# Altium PCB PROC114E3_BRD.PcbDoc (part 3 of 18)
Units mm, origin at the board's own origin, x right, y up, seen from the top; angles counter-clockwise.
Board outline 85 x 155.18 mm, 10 copper layers (TOP, L02_GND1, L03_SIG1, L04_GND2, L05_PWR1, L06_PWR2, L07_GND3, L08_SIG2, L09_GND4, BOTTOM), stack 1.134 mm thick; 1389 components, 1010 nets, 5137 pads, 3263 vias.
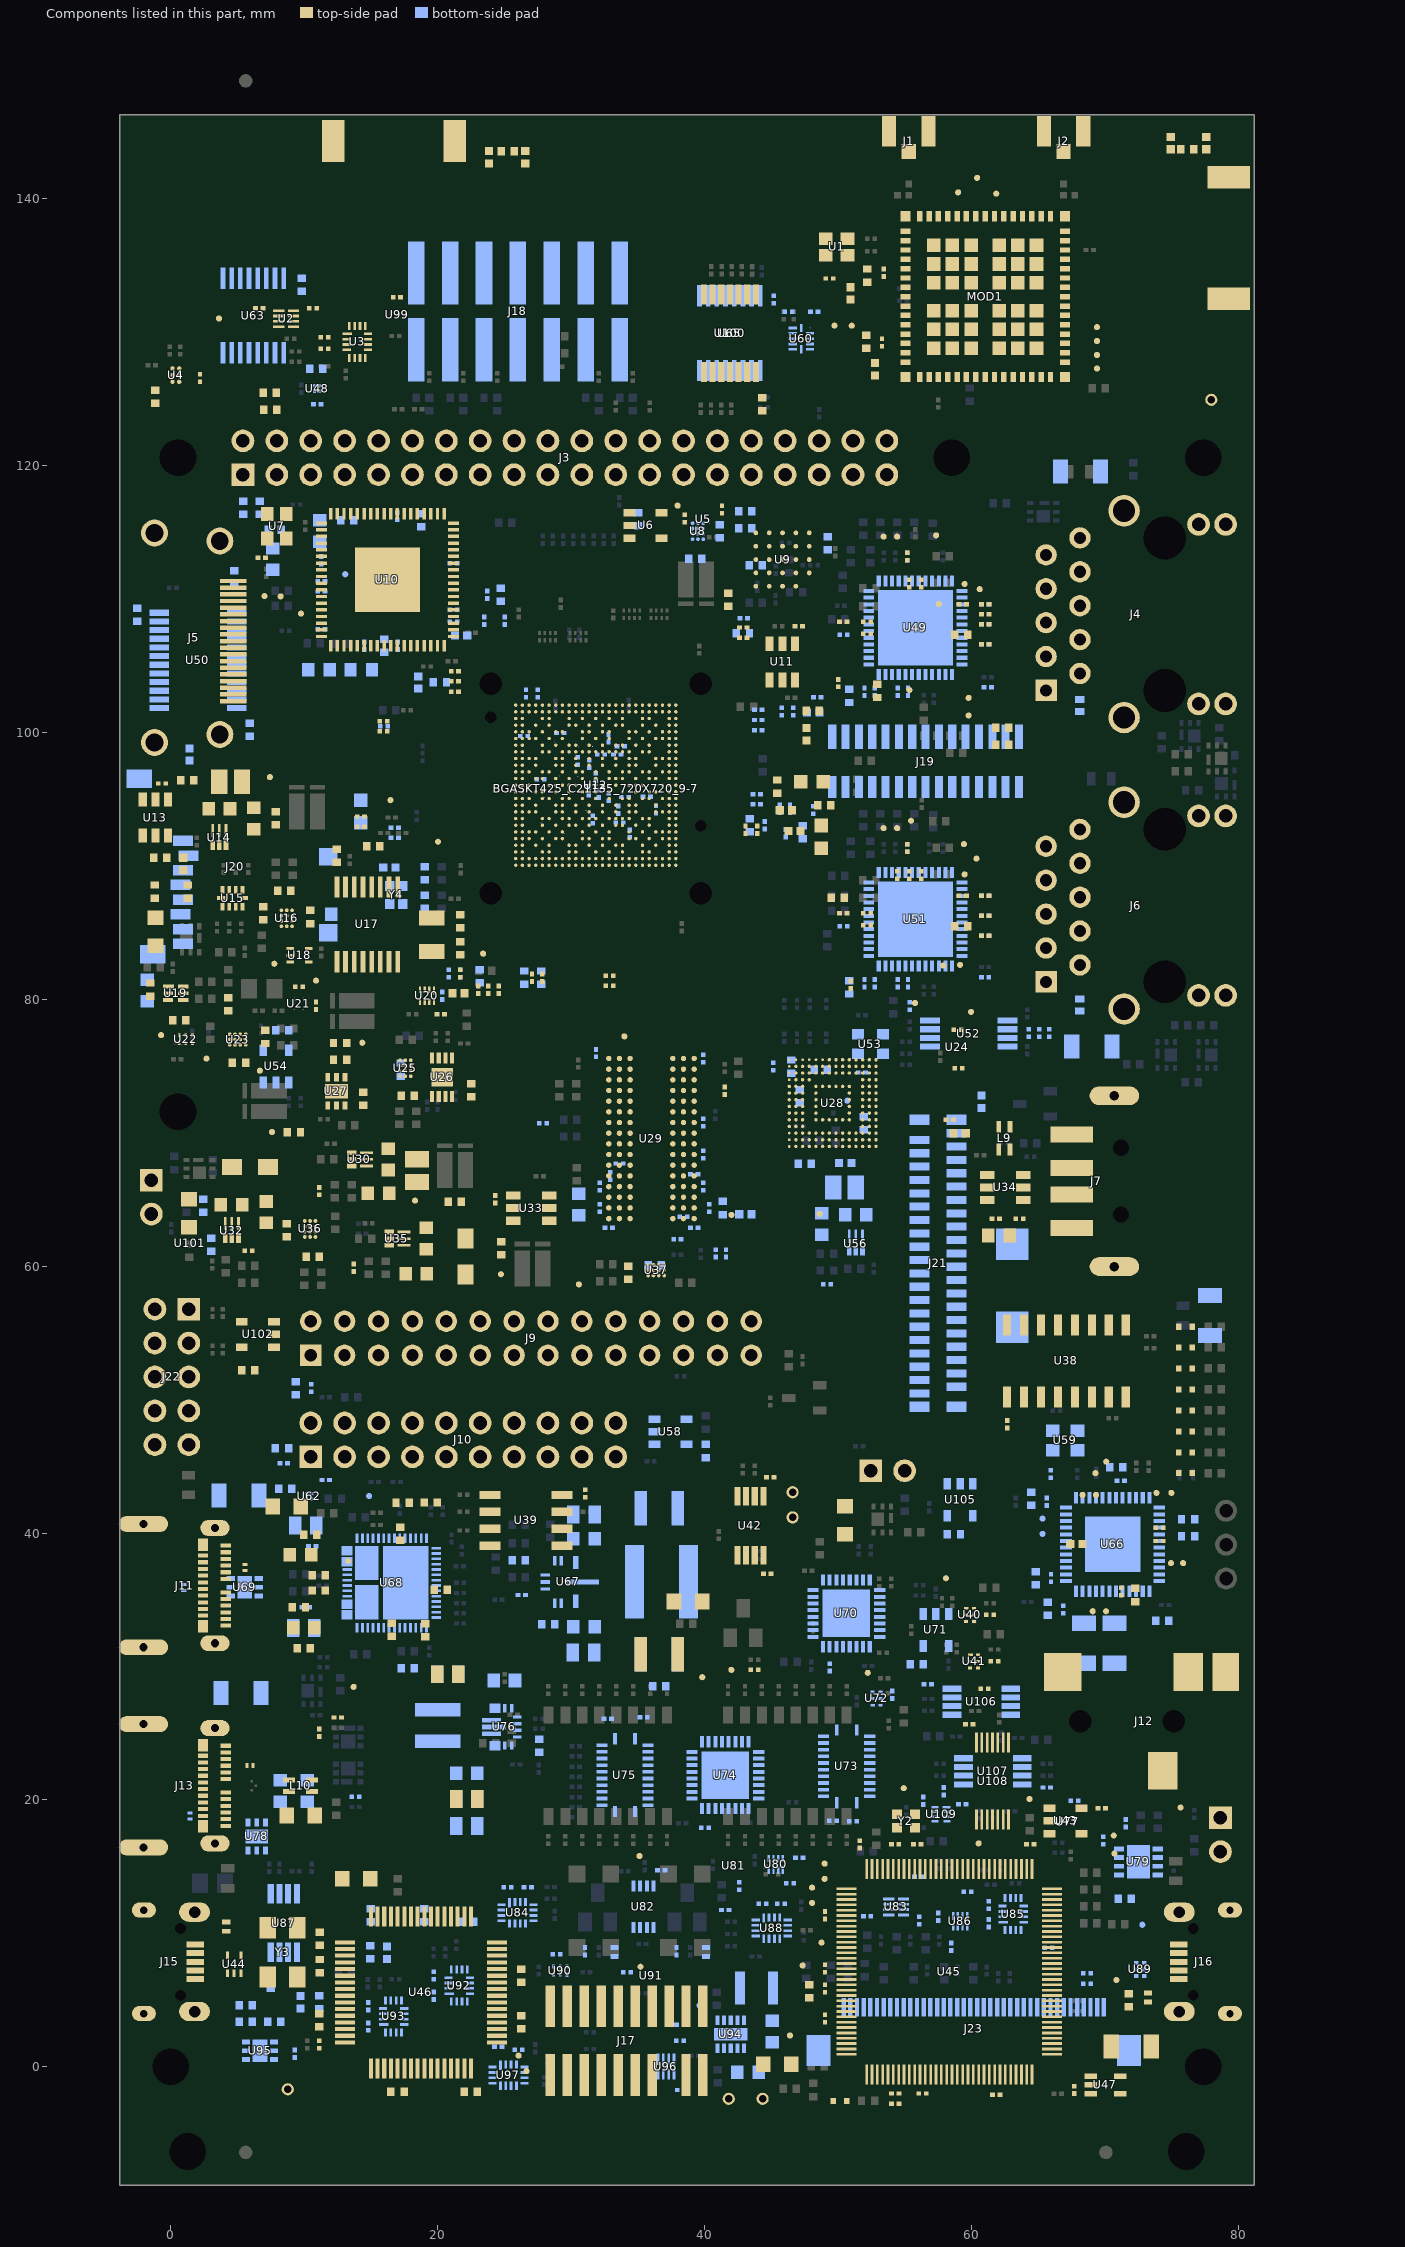
[diagram p11: the components of this part, seen from the top]

## Components (designator, comment, footprint, x,y, rotation, side; value= is the part's Value field where it differs from the comment) (continued)
TP73 "TESTPOINT_TP20_SMD_TP20_SMD" TP20_SMD 75.692,19.431 r90 top
TP74 "TESTPOINT_TP20_SMD_TP20_SMD" TP20_SMD 64.364,20.066 r90 top
TP75 "TESTPOINT_TP20_SMD_TP20_SMD" TP20_SMD 70.678,17.329 r0 top
TP76 "TESTPOINT_TP20_SMD_TP20_SMD" TP20_SMD 60.558,16.741 r270 top
TP77 "TESTPOINT_TP20_SMD_TP20_SMD" TP20_SMD 70.728,15.98 r0 top
TP78 "TESTPOINT_TP20_SMD_TP20_SMD" TP20_SMD 35.135,15.797 r270 top
TP79 "TESTPOINT_TP20_SMD_TP20_SMD" TP20_SMD 49.011,15.225 r90 top
TP80 "TESTPOINT_TP20_SMD_TP20_SMD" TP20_SMD 49.011,14.082 r90 top
TP81 "TESTPOINT_TP20_SMD_TP20_SMD" TP20_SMD 48.071,13.421 r90 top
TP82 "TESTPOINT_TP20_SMD_TP20_SMD" TP20_SMD 48.071,12.278 r90 top
TP83 "TESTPOINT_TP20_SMD_TP20_SMD" TP20_SMD 48.782,9.307 r0 top
TP84 "TESTPOINT_TP20_SMD_TP20_SMD" TP20_SMD 47.36,7.593 r0 top
TP85 "TESTPOINT_TP20_SMD_TP20_SMD" TP20_SMD 35.213,7.496 r270 top
TP86 "TESTPOINT_TP20_SMD_TP20_SMD" TP20_SMD 70.872,6.501 r0 top
TP87 "TESTPOINT_TP20_SMD_TP20_SMD" TP20_SMD 46.413,2.347 r0 top
TP88 "TESTPOINT_TP20_SMD_TP20_SMD" TP20_SMD 13.086,111.855 r270 bottom
TP90 "TESTPOINT_TP20_SMD_TP20_SMD" TP20_SMD 50.712,72.4 r0 bottom
TP91 "TESTPOINT_TP20_SMD_TP20_SMD" TP20_SMD 65.343,41.082 r0 bottom
TP92 "TESTPOINT_TP20_SMD_TP20_SMD" TP20_SMD 14.873,42.771 r0 bottom
TP93 "TESTPOINT_TP20_SMD_TP20_SMD" TP20_SMD 65.343,39.939 r0 bottom
TP94 "TESTPOINT_TP20_SMD_TP20_SMD" TP20_SMD 39.638,4.599 r90 bottom
TP95 "TESTPOINT_TP20_SMD_TP20_SMD" TP20_SMD 13.31,37.905 r0 top
TP96 "TESTPOINT_TP_36X22_THRU HOLE" TP_36X22 77.992,124.927 r0 top
TP97 "TESTPOINT_TP_36X22_THRU HOLE" TP_36X22 8.777,-1.692 r0 top
TP98 "TESTPOINT_TP20_SMD_TP20_SMD" TP20_SMD 3.621,131.023 r0 top
TP99 "TESTPOINT_TP20_SMD_TP20_SMD" TP20_SMD 72.822,10.643 r0 bottom
TP100 "TESTPOINT_TP20_SMD_TP20_SMD" TP20_SMD 59.161,82.582 r180 top
TP101 "TESTPOINT_TP20_SMD_TP20_SMD" TP20_SMD 59.806,102.595 r90 top
TP102 "TESTPOINT_TP20_SMD_TP20_SMD" TP20_SMD 57.895,82.521 r180 top
TP103 "TESTPOINT_TP20_SMD_TP20_SMD" TP20_SMD 59.806,101.274 r90 top
TP104 "TESTPOINT_TP20_SMD_TP20_SMD" TP20_SMD 54.94,20.879 r0 top
U1 "OSC4_ASFL3_OSC4_ASDK_105X85_SMD" OSC4_ASDK_105X85_SMD 49.911,136.382 r0 top
U2 "SN74AVC2T244DQMR_X2SON8_X2SON8_" X2SON8_15-74_70X50 8.653,131.013 r0 top
U3 "SN74AVC4T245RSV_UQFN16_UQFN16_T" UQFN16_TMUX1574_70X100_0-6 13.994,129.272 r0 top
U4 "TPS22946_DSBGA6_DSBGA6_19-68_40" DSBGA6_19-68_40X60_0-5 0.39,126.779 r180 top
U5 "TLV71318PDQNR_X2SON4_X2SON4_T_2" X2SON4_TLV71318P_40X40_0-4 39.925,115.983 r0 top
U6 "SN74LVC1G08DBVRE4_SOT23-5_SOT23" SOT23-5 35.594,115.509 r0 top
U7 "OSC_KC2016K_OSC4_KC2520B_100X80" OSC4_KC2520B_100X80_SMD_0-8 7.952,115.458 r90 top
U8 "INA231_DSBGA12_DSBGA12_15-74_60" DSBGA12_15-74_60X70_0-4#1 39.514,115.084 r0 bottom
U9 "S28HS512T_BGA24_BGA24_39-37_240" BGA24_39-37_240X310_1 45.857,112.955 r180 top
U10 "SII9022ACNU_QFN72_QFN72_19-68_3" QFN72_19-68_390X390_0-9 16.245,111.44 r180 top
U11 "TMP100NA/3K_SOT23-6_SOT23-6_1-5" SOT23-6_1-5 45.84,105.282 r90 top
U12 "AM62-EVM_BGA425_BGA425_19-68_51" BGA425_19-68_510X510_0-7 31.86,96.045 r90 top
U13 "TPS22918DBVR_SOT23-6_SOT23-6_TP" SOT23-6 -1.143,93.615 r270 top
U14 "TPS62827DMQR_VSONHR6_VSONHR6_TP" VSONHR6_TPS62826_60X60_1 3.646,92.187 r90 top
U15 "TPD6E001RSE_UQFN10_UQFN10_19-68" UQFN10_19-68_80X60_0-6 4.637,87.577 r270 top
U16 "INA231_DSBGA12_DSBGA12_15-74_60" DSBGA12_15-74_60X70_0-4#2 8.701,86.069 r180 top
U17 "SN74CB3Q3257PWR_TSSOP16_TSSOP16" TSSOP16_25-59_205X180 14.737,85.615 r90 top
U18 "TPD2E001DRLR_SOT-5_SOT553-5_0-6" SOT553-5_0-6 9.666,83.297 r0 top
U19 "TLV7103318D_WSON6_WSON6_TPS717_" WSON6_TPS717_60X60_0-8 0.37,80.452 r0 top
U20 "TXS0102DQX_SON8_X2SON8_TXS0102_" X2SON8_TXS0102_40X60_0-4#1 19.21,80.262 r270 top
U21 "TLV71318PDQNR_X2SON4_X2SON4_TLV" X2SON4_TLV71318P_40X40_0-4 9.617,79.668 r270 top
U22 "SN74LVC1G11DCKR_SC70-6_SON6_SN7" SON6_SN74LVC2G17_40X60_0-6 1.135,77.014 r90 top
U23 "INA231_DSBGA12_DSBGA12_15-74_60" DSBGA12_15-74_60X70_0-4#2 5.022,76.985 r90 top
U24 "TLV71318PDQNR_X2SON4_X2SON4_T_1" X2SON4_TLV71318P_40X40_0-4 58.966,76.398 r270 top
U25 "INA231_DSBGA12_DSBGA12_15-74_60" DSBGA12_15-74_60X70_0-4#2 17.591,74.835 r0 top
U26 "AT24C64D-MAHM-T_UDFN8_UDFN8_19-" UDFN8_19-68_120X80_0-6 20.342,74.155 r270 top
U27 "TPS74618_WSON6_SON6_25-59_85X85" SON6_25-59_85X85_0-8#1 12.425,73.103 r270 top
U28 "MTFC16GAPALBH_TFBGA153_VFBGA153" VFBGA153_19-68_460X520_1-1 49.61,72.222 r0 top
U29 "MT40A512M16LY_FBGA96_FBGA96_31-" FBGA96_31-49_520X360_1-2 36.034,69.566 r180 top
U30 "TPS62827DMQR_VSONHR6_VSONHR6__1" VSONHR6_TPS62826_60X60_1 14.212,68.006 r0 top
U32 "TPS62827DMQR_VSONHR6_VSONHR6__1" VSONHR6_TPS62826_60X60_1 4.585,62.744 r90 top
U33 "TMP100NA/3K_SOT23-6_SOT23-6_1-5" SOT23-6_1-5 27.014,64.348 r180 top
U34 "TPD3S014D_SOT23-6_SOT23-6_1-5_T" SOT23-6_1-5 62.547,65.895 r0 top
U35 "TPS62827DMQR_VSONHR6_VSONHR6__2" VSONHR6_TPS62826_60X60_1 17.032,62.062 r0 top
U36 "INA231_DSBGA12_DSBGA12_15-74_60" DSBGA12_15-74_60X70_0-4#2 10.45,62.789 r0 top
U37 "INA231_DSBGA12_DSBGA12_15-74_60" DSBGA12_15-74_60X70_0-4#2 36.383,59.7 r270 top
U38 "TPIC2810D_SOIC16_SOIC16_1-8_TPI" SOIC16_1-8 67.133,52.893 r90 top
U39 "W25Q80BWSNIG_SOIC8_SOIC8_1-8_W2" SOIC8_1-8 26.633,40.955 r0 top
U40 "SN74LVC1G11DCKR_SC70-6_SON6_SN7" SON6_SN74LVC2G17_40X60_0-6 59.892,33.862 r0 top
U41 "SN74LVC1G11DCKR_SC70-6_SON6_SN7" SON6_SN74LVC2G17_40X60_0-6 60.221,30.382 r0 top
U42 "TCA9801DGK_VSSOP8_VSSOP8_25-59_" VSSOP8_25-59_120X120_1-1#1 43.451,40.545 r270 top
U43 "SN74LVC1G08DBVRE4_SOT23-5_SOT23" SOT23-5 67.072,18.42 r0 top
U44 "TPD2E001DRLR_SOT-5_SOT553-5_0-6" SOT553-5_0-6 4.758,7.681 r90 top
U45 "TM4C1294NCPDTT3R_TQFP128_TQFP12" TQFP128_15-74_550X550_1-2 58.358,7.137 r90 top
U46 "FT4232H_LQFP64_LQFP64_19-68_390" LQFP64_19-68_390X390_1-6 18.759,5.573 r0 top
U47 "LM4040B25IDCKR_SC70-5_SC70-5_1-" SC70-5_1-1 70.057,-1.361 r0 top
U48 "TPS22912CYZVR_DSBGA4_DSBGA4_15-" DSBGA4_15-74_30X30_0-5#1 10.986,125.771 r90 bottom
U49 "DP83867IRRGZ_VQFN48_QFN48_19-68" QFN48_19-68_280X280_1 55.816,107.847 r0 bottom
U50 "TPD12S016PW_TSSOP24_TSSOP24_25-" TSSOP24_25-59_315X180_1-2 2.044,105.397 r0 bottom
U51 "DP83867IRRGZ_VQFN48_QFN48_19-68" QFN48_19-68_280X280_1 55.816,86.003 r0 bottom
U52 "LMK1C1103_TSSOP8_TSSOP8_25-59_1" TSSOP8_25-59_125X180_1-2 59.822,77.431 r0 bottom
U53 "OSC4_ASFL3_OSC4_ECS-2520MV_100X" OSC4_ECS-2520MV_100X80_SMD_0-9 52.447,76.644 r0 bottom
U54 "SN74LVC1G08DBVRE4_SOT23-5_SOT23" SOT23-5 7.896,74.977 r90 bottom
U56 "TPS62827DMQR_VSONHR6_VSONHR6__1" VSONHR6_TPS62826_60X60_1 51.347,61.783 r90 bottom
U58 "SN74LVC1G08DBVRE4_SOT23-5_SOT23" SOT23-5 37.451,47.587 r0 bottom
U59 "OSC_KC2016K_OSC4_KC2520B_100X80" OSC4_KC2520B_100X80_SMD_0-8 67.032,46.937 r0 bottom
U60 "TXB0104RUTR_UQFN12_UQFN12_TXB01" UQFN12_TXB0104RUT_70X80_0-6 47.269,129.515 r0 bottom
U62 "TPS22912CYZVR_DSBGA4_DSBGA4_15-" DSBGA4_15-74_30X30_0-5#2 10.372,42.758 r0 bottom
U63 "SN74CB3Q3257PWR_TSSOP16_TSSOP16" TSSOP16_25-59_205X180 6.196,131.244 r90 bottom
U65 "SN74CB3Q3257PWR_TSSOP16_TSSOP16" TSSOP16_25-59_205X180 41.91,129.921 r90 bottom
U66 "TLV320AIC3106IRGZT_VQFN48_VQFN4" VQFN48_19-68_285X285 70.601,39.152 r0 bottom
U67 "LM61460_VQFNHR14_VQFNHR14_LM614" VQFNHR14_LM61460_160X140_1 29.91,36.332 r0 bottom
U68 "TPS65988DJ_VQFN56_VQFN56_TPS659" VQFN56_TPS65987D_280X280_1 16.57,36.265 r0 bottom
U69 "TVS2200_WSON6_SON6_25-59_85X85_" SON6_25-59_85X85_0-8#2 5.549,35.936 r0 bottom
U70 "TCA6424ARGJR_QFN32_QFN32_19-68_" QFN32_19-68_200X200 50.642,33.971 r0 bottom
U71 "SN74LVC1G08DBVRE4_SOT23-5_SOT23" SOT23-5 57.347,32.739 r270 bottom
U72 "SN74LVC1G11DCKR_SC70-6_SON6_SN7" SON6_SN74LVC2G17_40X60_0-6 52.902,27.599 r0 bottom
U73 "SN74AVC8T245RHL_QFN24_QFN24_19-" QFN24_19-68_220X140_1 50.662,22.515 r90 bottom
U74 "TCA6424ARGJR_QFN32_QFN32_19-68_" QFN32_19-68_200X200 41.568,21.854 r0 bottom
U75 "SN74AVC8T245RHL_QFN24_QFN24_19-" QFN24_19-68_220X140_1 34.05,21.854 r270 bottom
U76 "TPS630701_VQFN-HR15_VQFNHR15_TP" VQFNHR15_TPS630701_100X120_1 24.826,25.466 r0 bottom
U77 "SN74LVC1G04DCKR_SC70-5_X2SON5_T" X2SON5_TLV7021_30X30_0-4#1 67.218,18.376 r90 bottom
U78 "TVS2200_WSON6_SON6_25-59_85X85_" SON6_25-59_85X85_0-8#1 6.454,17.259 r90 bottom
U79 "TPS79601DRBR_SON8_SON8_25-59_13" SON8_25-59_130X130_1 72.531,15.352 r0 bottom
U80 "TXS0102DQX_SON8_X2SON8_TXS0102_" X2SON8_TXS0102_40X60_0-4#1 45.351,15.161 r90 bottom
U81 "SN74LVC1G32_X2SON5_X2SON5_TLV70" X2SON5_TLV7021_30X30_0-4#1 42.21,15.077 r0 bottom
U82 "SN74LVC3G17DCUR_VSSOP8_VSSOP8_1" VSSOP8_19-68_85X95_0-9 35.433,11.991 r90 bottom
U83 "SN74AVC2T244DQMR_X2SON8_X2SON8_" X2SON8_15-74_70X50 54.371,11.98 r0 bottom
U84 "SN74AVC4T245RSV_UQFN16_UQFN16_T" UQFN16_TMUX1574_70X100_0-6 25.998,11.542 r270 bottom
U85 "SN74AVC4T245RSV_UQFN16_UQFN16_T" UQFN16_TMUX1574_70X100_0-6 63.133,11.44 r0 bottom
U86 "TXS0102DQX_SON8_X2SON8_TXS0102_" X2SON8_TXS0102_40X60_0-4#1 59.171,10.908 r270 bottom
U87 "93LC46B_MSOP8_MSOP8_25-59_125X1" MSOP8_25-59_125X125_1-1 8.479,10.773 r270 bottom
U88 "SN74AVC4T245RSV_UQFN16_UQFN16_T" UQFN16_TMUX1574_70X100_0-6 45.048,10.399 r270 bottom
U89 "TPD4E004_SON6_SON6_19-68_40X60_" SON6_19-68_40X60_PB_0-6 72.656,7.289 r0 bottom
U90 "SN74LVC1G11DCKR_SC70-6_SON6_SN7" SON6_SN74LVC2G17_40X60_0-6 29.199,7.198 r90 bottom
U91 "SN74LVC1G32_X2SON5_X2SON5_TLV70" X2SON5_TLV7021_30X30_0-4#2 36.006,6.838 r0 bottom
U92 "SN74AVC4T245RSV_UQFN16_UQFN16_T" UQFN16_TMUX1574_70X100_0-6 21.63,6.081 r0 bottom
U93 "SN74AVC4T245RSV_UQFN16_UQFN16_T" UQFN16_TMUX1574_70X100_0-6 16.702,3.77 r0 bottom
U94 "TPS62177_WSON10_WSON10_19-68_80" WSON10_19-68_80X120_0-8 41.975,2.423 r90 bottom
U95 "TPS73501DRVR_SON6_SON6_25-59_85" SON6_25-59_85X85 6.698,1.199 r0 bottom
U96 "SN74AVC2T244DQMR_X2SON8_X2SON8_" X2SON8_15-74_70X50 37.12,0.011 r90 bottom
U97 "SN74AVC4T245RSV_UQFN16_UQFN16_T" UQFN16_TMUX1574_70X100_0-6 25.312,-0.625 r270 bottom
U99 "SN74LVC1G04DCKR_SC70-5_X2SON5_T" X2SON5_TLV7021_30X30_0-4#1 16.968,131.297 r0 top
U100 "TCA9543APWR_TSSOP14_TSSOP14_25-" TSSOP14_25-59_205X180_1-2 41.91,129.921 r270 top
U101 "SN74LVC1G32_X2SON5_X2SON5_TLV70" X2SON5_TLV7021_30X30_0-4#1 1.426,61.702 r90 bottom
U102 "SN74LVC1G08DBVRE4_SOT23-5_SOT23" SOT23-5 6.532,54.881 r180 top
U105 "SN74LVC1G08DBVRE4_SOT23-5_SOT23" SOT23-5 59.163,42.493 r270 bottom
U106 "TCA9801DGK_VSSOP8_VSSOP8_25-59_" VSSOP8_25-59_120X120_1-1#2 60.754,27.356 r0 bottom
U107 "TCA9801DGK_VSSOP8_VSSOP8_25-59_" VSSOP8_25-59_120X120_1-1#1 61.618,22.143 r0 bottom
U108 "74HC7014X_SOIC14_TVSOP14_15-74_" TVSOP14_15-74_180X150_1-2 61.594,21.412 r90 top
U109 "TXS0102DQX_SON8_X2SON8_TXS0102_" X2SON8_TXS0102_40X60_0-4#2 57.734,18.923 r0 bottom
Y1 "CRY_XTAL_ECS-32_130X60_SMD_0-9_" XTAL_ECS-32_130X60_SMD_0-9 19.552,84.846 r270 top
Y2 "CRY4_13_XTAL4_XRCGB-FM_80X60_SM" XTAL4_XRCGB-FM_80X60_SMD_0-7 55.107,18.415 r0 top
Y3 "CRY4_13_XTAL4_ECX-53BQ_200X130_" XTAL4_ECX-53BQ_200X130_SMD_0-9 8.386,8.573 r270 top
Y4 "CRY4_13_XTAL4_XRCGB-FM_80X60__1" XTAL4_XRCGB-FM_80X60_SMD_0-7 16.905,87.818 r90 bottom

## Footprints (in the part's own frame and the unit in brackets; to place one, negate y for a bottom-side part, rotate by r counter-clockwise, add the part's x,y. Pads: shape width x height; smd on the part's side, far side on the other; paste and mask are expansions set on the pad)
ANT2_W3006_390X130_SMD#1 [mil] "ANT2_W3006_390X130_SMD"
  rect 67x124 smd: 1(-179.13,0) 2(179.13,0)
  silkscreen extent -248,-80 230,80
ANT2_W3006_390X130_SMD#2 [mil] "ANT2_W3006_390X130_SMD"
  rect 67x124 smd: 1(-179.13,0) 2(179.13,0)
  Multi-Layer keep-out region: 244.09,69.84 -244.09,69.84 -244.09,-62.05 -212.6,-62.05 -212.6,-166.38 244.09,-166.38
  silkscreen extent -248,-80 230,80
BGA24_39-37_240X310_1 [mil] "BGA24_39-37_240X310_1"
  round 14 smd: A2(-39.37,78.74) A3(0,78.74) A4(39.37,78.74) A5(78.74,78.74) B1(-78.74,39.37) B2(-39.37,39.37) B3(0,39.37) B4(39.37,39.37) B5(78.74,39.37) C1(-78.74,0) C2(-39.37,0) C3(0,0) C4(39.37,0) C5(78.74,0) D1(-78.74,-39.37) D2(-39.37,-39.37) D3(0,-39.37) D4(39.37,-39.37) D5(78.74,-39.37) E1(-78.74,-78.74) E2(-39.37,-78.74) E3(0,-78.74) E4(39.37,-78.74) E5(78.74,-78.74)
  TOP lines w5.8: 98.42,98.42 78.74,78.74 ; 98.42,59.05 78.74,39.37 ; 98.42,-19.68 78.74,0 ; 98.42,-59.05 78.74,-39.37 ; 59.05,-19.68 39.37,0 ; 54.65,94.13 52.85,92.33 52.85,92.22 39.37,78.74 ; -39.37,39.37 -59.05,59.05 ; -39.37,0 -59.05,-19.68 ; -39.37,-39.37 -59.05,-59.05
  TOP lines w10: 59.05,-98.42 39.37,-78.74 ; 54.85,59.65 54.85,54.85 39.37,39.37 ; 0,39.37 0,43.46 -20.19,63.65 ; -78.74,0 -98.42,-19.68 ; -78.74,-39.37 -98.42,-59.05
  silkscreen extent -145,-165 130,165
BGA425_19-68_510X510_0-7 [mil] "BGA425_19-68_510X510_0-7"
  round 10 smd: A1(-236.22,236.22) A2(-216.54,236.22) A3(-196.85,236.22) A4(-177.16,236.22) A5(-157.48,236.22) A6(-137.8,236.22) A7(-118.11,236.22) A8(-98.42,236.22) A9(-78.74,236.22) A10(-59.06,236.22) A11(-39.37,236.22) A12(-19.68,236.22) A13(0,236.22) A14(19.68,236.22) A15(39.37,236.22) A16(59.06,236.22) A17(78.74,236.22) A18(98.42,236.22) A19(118.11,236.22) A20(137.8,236.22) A21(157.48,236.22) A22(177.16,236.22) A23(196.85,236.22) A24(216.54,236.22) A25(236.22,236.22) AA1(-236.22,-157.48) AA2(-216.54,-157.48) AA3(-196.85,-157.48) AA5(-157.48,-157.48) AA7(-118.11,-157.48) AA8(-98.42,-157.48) AA11(-39.37,-157.48) AA12(-19.68,-157.48) AA14(19.68,-157.48) AA15(39.37,-157.48) AA18(98.42,-157.48) AA19(118.11,-157.48) AA21(157.48,-157.48) AA23(196.85,-157.48) AA24(216.54,-157.48) AA25(236.22,-157.48) AB1(-236.22,-177.16) AB2(-216.54,-177.16) AB4(-177.16,-177.16) AB6(-137.8,-177.16) AB9(-78.74,-177.16) AB10(-59.06,-177.16) AB12(-19.68,-177.16) AB14(19.68,-177.16) AB16(59.06,-177.16) AB17(78.74,-177.16) AB20(137.8,-177.16) AB22(177.16,-177.16) AB24(216.54,-177.16) AB25(236.22,-177.16) AC1(-236.22,-196.85) AC2(-216.54,-196.85) AC5(-157.48,-196.85) AC6(-137.8,-196.85) AC9(-78.74,-196.85) AC11(-39.37,-196.85) AC13(0,-196.85) AC15(39.37,-196.85) AC17(78.74,-196.85) AC20(137.8,-196.85) AC21(157.48,-196.85) AC24(216.54,-196.85) AC25(236.22,-196.85) AD1(-236.22,-216.54) AD2(-216.54,-216.54) AD3(-196.85,-216.54) AD4(-177.16,-216.54) AD5(-157.48,-216.54) AD6(-137.8,-216.54) AD7(-118.11,-216.54) AD8(-98.42,-216.54) AD9(-78.74,-216.54) AD10(-59.06,-216.54) AD11(-39.37,-216.54) AD12(-19.68,-216.54) AD13(0,-216.54) AD14(19.68,-216.54) AD15(39.37,-216.54) AD16(59.06,-216.54) AD17(78.74,-216.54) AD18(98.42,-216.54) AD19(118.11,-216.54) AD20(137.8,-216.54) AD21(157.48,-216.54) AD22(177.16,-216.54) AD23(196.85,-216.54) AD24(216.54,-216.54) AD25(236.22,-216.54) AE1(-236.22,-236.22) AE2(-216.54,-236.22) AE3(-196.85,-236.22) AE4(-177.16,-236.22) AE5(-157.48,-236.22) AE6(-137.8,-236.22) AE7(-118.11,-236.22) AE8(-98.42,-236.22) AE9(-78.74,-236.22) AE10(-59.06,-236.22) AE11(-39.37,-236.22) AE12(-19.68,-236.22) AE13(0,-236.22) AE14(19.68,-236.22) AE15(39.37,-236.22) AE16(59.06,-236.22) AE17(78.74,-236.22) AE18(98.42,-236.22) AE19(118.11,-236.22) AE20(137.8,-236.22) AE21(157.48,-236.22) AE22(177.16,-236.22) AE23(196.85,-236.22) AE24(216.54,-236.22) AE25(236.22,-236.22) B1(-236.22,216.54) B2(-216.54,216.54) B3(-196.85,216.54) B4(-177.16,216.54) B5(-157.48,216.54) B6(-137.8,216.54) B7(-118.11,216.54) B8(-98.42,216.54) B9(-78.74,216.54) B10(-59.06,216.54) B11(-39.37,216.54) B12(-19.68,216.54) B13(0,216.54) B14(19.68,216.54) B15(39.37,216.54) B16(59.06,216.54) B17(78.74,216.54) B18(98.42,216.54) B19(118.11,216.54) B20(137.8,216.54) B21(157.48,216.54) B22(177.16,216.54) B23(196.85,216.54) B24(216.54,216.54) B25(236.22,216.54) C1(-236.22,196.85) C2(-216.54,196.85) C5(-157.48,196.85) C6(-137.8,196.85) C9(-78.74,196.85) C11(-39.37,196.85) C13(0,196.85) C15(39.37,196.85) C17(78.74,196.85) C20(137.8,196.85) C21(157.48,196.85) C24(216.54,196.85) C25(236.22,196.85) D1(-236.22,177.16) D2(-216.54,177.16) D4(-177.16,177.16) D6(-137.8,177.16) D9(-78.74,177.16) D10(-59.06,177.16) D12(-19.68,177.16) D14(19.68,177.16) D16(59.06,177.16) D17(78.74,177.16) D20(137.8,177.16) D22(177.16,177.16) D24(216.54,177.16) D25(236.22,177.16) E1(-236.22,157.48) E2(-216.54,157.48) E3(-196.85,157.48) E5(-157.48,157.48) E7(-118.11,157.48) E8(-98.42,157.48) E11(-39.37,157.48) E12(-19.68,157.48) E14(19.68,157.48) E15(39.37,157.48) E18(98.42,157.48) E19(118.11,157.48) E21(157.48,157.48) E23(196.85,157.48) E24(216.54,157.48) E25(236.22,157.48) F1(-236.22,137.8) F2(-216.54,137.8) F3(-196.85,137.8) F4(-177.16,137.8) F6(-137.8,137.8) F8(-98.42,137.8) F11(-39.37,137.8) F13(0,137.8) F15(39.37,137.8) F18(98.42,137.8) F20(137.8,137.8) F22(177.16,137.8) F23(196.85,137.8) F24(216.54,137.8) F25(236.22,137.8) G1(-236.22,118.11) G2(-216.54,118.11) G5(-157.48,118.11) G7(-118.11,118.11) G9(-78.74,118.11) G10(-59.06,118.11) G12(-19.68,118.11) G13(0,118.11) G14(19.68,118.11) G16(59.06,118.11) G17(78.74,118.11) G19(118.11,118.11) G21(157.48,118.11) G24(216.54,118.11) G25(236.22,118.11) H1(-236.22,98.42) H2(-216.54,98.42) H5(-157.48,98.42) H6(-137.8,98.42) H8(-98.42,98.42) H9(-78.74,98.42) H10(-59.06,98.42) H11(-39.37,98.42) H13(0,98.42) H15(39.37,98.42) H16(59.06,98.42) H17(78.74,98.42) H18(98.42,98.42) H20(137.8,98.42) H21(157.48,98.42) H24(216.54,98.42) H25(236.22,98.42) J1(-236.22,78.74) J2(-216.54,78.74) J3(-196.85,78.74) J4(-177.16,78.74) J7(-118.11,78.74) J8(-98.42,78.74) J11(-39.37,78.74) J12(-19.68,78.74) J13(0,78.74) J14(19.68,78.74) J18(98.42,78.74) J19(118.11,78.74) J22(177.16,78.74) J23(196.85,78.74) J24(216.54,78.74) J25(236.22,78.74) K1(-236.22,59.06) K2(-216.54,59.06) K3(-196.85,59.06) K4(-177.16,59.06) K7(-118.11,59.06) K9(-78.74,59.06) K10(-59.06,59.06) K13(0,59.06) K15(39.37,59.06) K16(59.06,59.06) K17(78.74,59.06) K18(98.42,59.06) K19(118.11,59.06) K22(177.16,59.06) K24(216.54,59.06) K25(236.22,59.06) L1(-236.22,39.37) L2(-216.54,39.37) L5(-157.48,39.37) L6(-137.8,39.37) L8(-98.42,39.37) L11(-39.37,39.37) L12(-19.68,39.37) L14(19.68,39.37) L15(39.37,39.37) L18(98.42,39.37) L20(137.8,39.37) L21(157.48,39.37) L23(196.85,39.37) L24(216.54,39.37) L25(236.22,39.37) M1(-236.22,19.68) M2(-216.54,19.68) M4(-177.16,19.68) M5(-157.48,19.68) M7(-118.11,19.68) M8(-98.42,19.68) M9(-78.74,19.68) M10(-59.06,19.68) M12(-19.68,19.68) M13(0,19.68) M16(59.06,19.68) M17(78.74,19.68) M18(98.42,19.68) M19(118.11,19.68) M21(157.48,19.68) M22(177.16,19.68) M24(216.54,19.68) M25(236.22,19.68) N1(-236.22,0) N2(-216.54,0) N3(-196.85,0) N6(-137.8,0) N8(-98.42,0) N11(-39.37,0) N12(-19.68,0) N13(0,0) N14(19.68,0) N15(39.37,0) N18(98.42,0) N20(137.8,0) N23(196.85,0) N24(216.54,0) N25(236.22,0) P1(-236.22,-19.68) P2(-216.54,-19.68) P4(-177.16,-19.68) P5(-157.48,-19.68) P7(-118.11,-19.68) P9(-78.74,-19.68) P10(-59.06,-19.68) P13(0,-19.68) P16(59.06,-19.68) P17(78.74,-19.68) P18(98.42,-19.68) P19(118.11,-19.68) P21(157.48,-19.68) P22(177.16,-19.68) P24(216.54,-19.68) P25(236.22,-19.68) R1(-236.22,-39.37) R2(-216.54,-39.37) R3(-196.85,-39.37) R5(-157.48,-39.37) R6(-137.8,-39.37) R8(-98.42,-39.37) R11(-39.37,-39.37) R12(-19.68,-39.37) R13(0,-39.37) R14(19.68,-39.37) R15(39.37,-39.37) R18(98.42,-39.37) R20(137.8,-39.37) R21(157.48,-39.37) R23(196.85,-39.37) R24(216.54,-39.37) R25(236.22,-39.37) T1(-236.22,-59.06) T2(-216.54,-59.06) T4(-177.16,-59.06) T7(-118.11,-59.06) T8(-98.42,-59.06) T9(-78.74,-59.06) T10(-59.06,-59.06) T13(0,-59.06) T14(19.68,-59.06) T16(59.06,-59.06) T17(78.74,-59.06) T18(98.42,-59.06) T19(118.11,-59.06) T22(177.16,-59.06) T24(216.54,-59.06) T25(236.22,-59.06) U1(-236.22,-78.74) U2(-216.54,-78.74) U3(-196.85,-78.74) U4(-177.16,-78.74) U7(-118.11,-78.74) U8(-98.42,-78.74) U11(-39.37,-78.74) U12(-19.68,-78.74) U14(19.68,-78.74) U15(39.37,-78.74) U18(98.42,-78.74) U19(118.11,-78.74) U22(177.16,-78.74) U23(196.85,-78.74) U24(216.54,-78.74) U25(236.22,-78.74) V1(-236.22,-98.42) V2(-216.54,-98.42) V5(-157.48,-98.42) V6(-137.8,-98.42) V8(-98.42,-98.42) V9(-78.74,-98.42) V10(-59.06,-98.42) V11(-39.37,-98.42) V13(0,-98.42) V15(39.37,-98.42) V16(59.06,-98.42) V17(78.74,-98.42) V18(98.42,-98.42) V20(137.8,-98.42) V21(157.48,-98.42) V24(216.54,-98.42) V25(236.22,-98.42) W1(-236.22,-118.11) W2(-216.54,-118.11) W5(-157.48,-118.11) W7(-118.11,-118.11) W9(-78.74,-118.11) W10(-59.06,-118.11) W12(-19.68,-118.11) W13(0,-118.11) W14(19.68,-118.11) W16(59.06,-118.11) W17(78.74,-118.11) W19(118.11,-118.11) W21(157.48,-118.11) W24(216.54,-118.11) W25(236.22,-118.11) Y1(-236.22,-137.8) Y2(-216.54,-137.8) Y3(-196.85,-137.8) Y4(-177.16,-137.8) Y6(-137.8,-137.8) Y8(-98.42,-137.8) Y11(-39.37,-137.8) Y13(0,-137.8) Y15(39.37,-137.8) Y18(98.42,-137.8) Y20(137.8,-137.8) Y22(177.16,-137.8) Y23(196.85,-137.8) Y24(216.54,-137.8) Y25(236.22,-137.8)